# Altium PCB HSADDAModule.PcbDoc (part 1 of 5)
Units mm, origin at the board's own origin, x right, y up, seen from the top; angles counter-clockwise.
Board outline 70 x 95 mm, 6 copper layers (L1 (Sig), L2 (GND), L3 (Sig), L4 (GND), L5 (PWR), L6 (Sig)), stack 1.538 mm thick; 134 components, 217 nets, 999 pads, 792 vias.
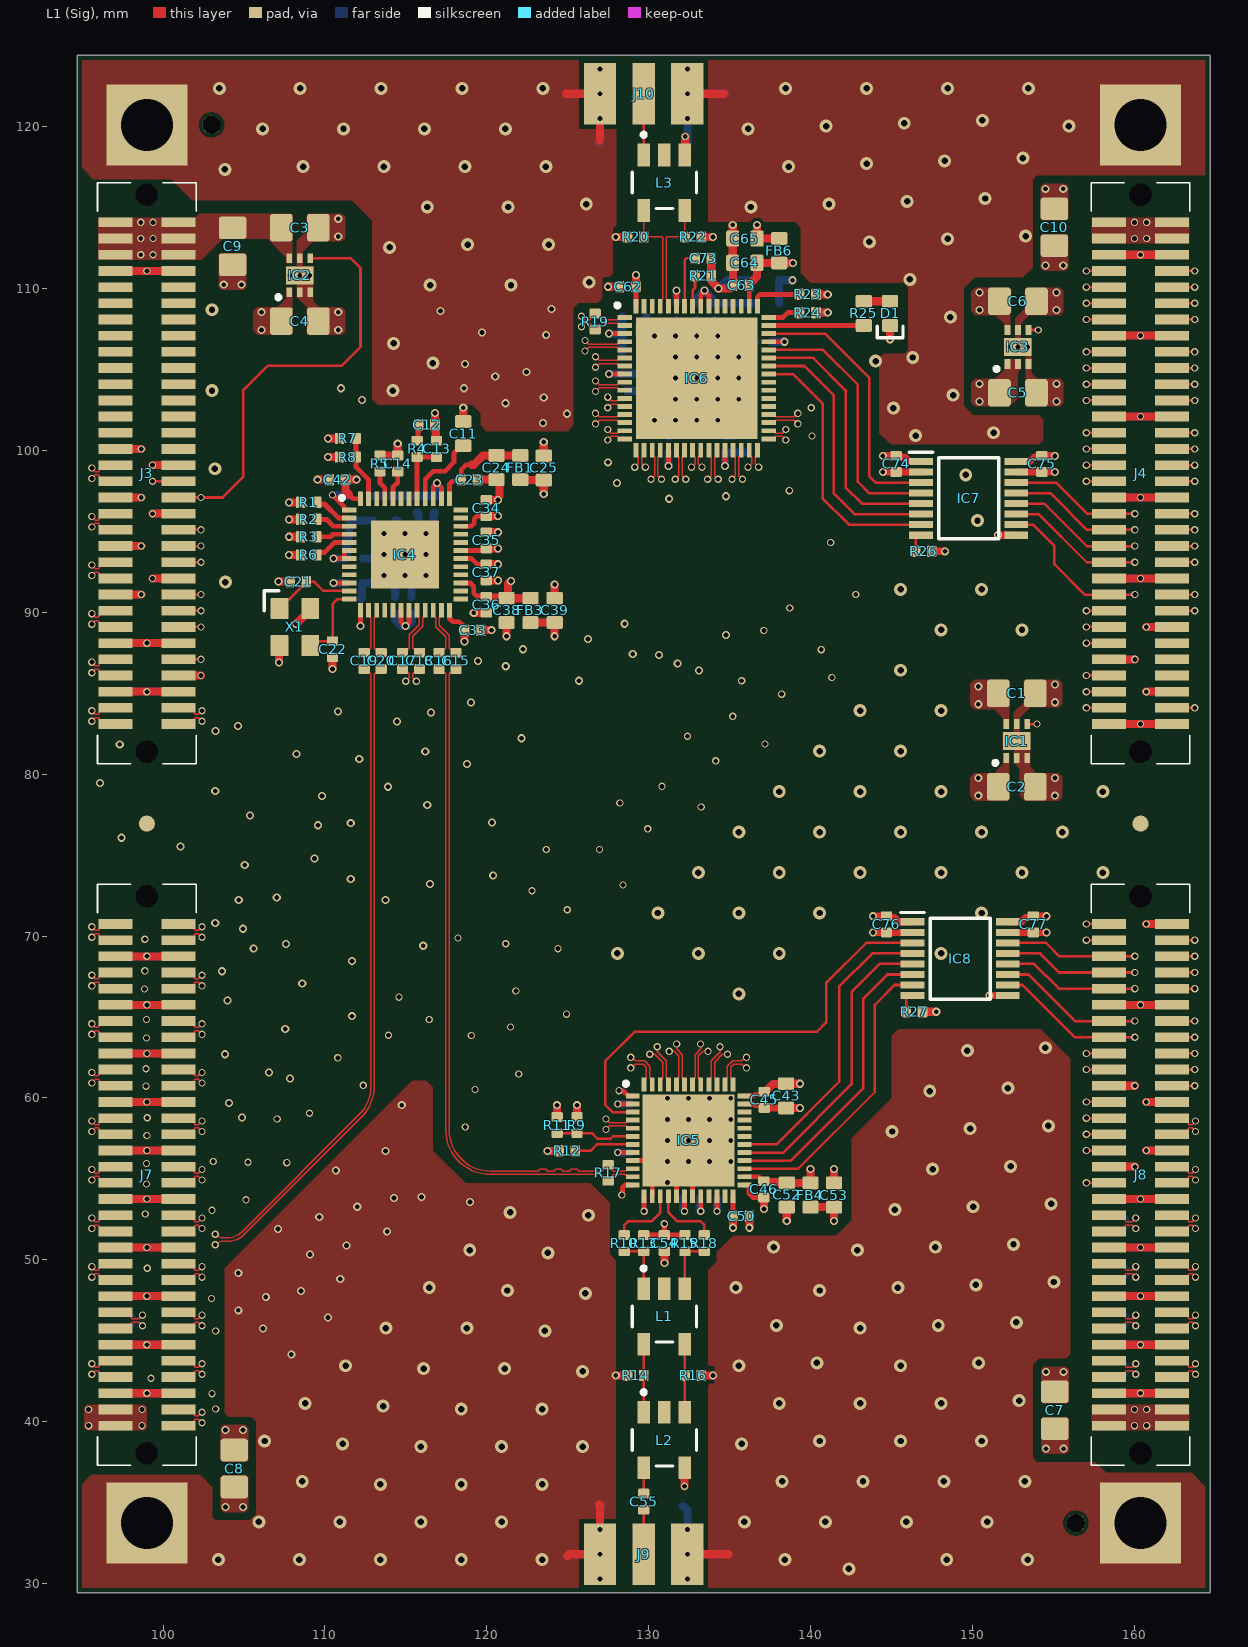
[diagram p0: L1 (Sig) view]
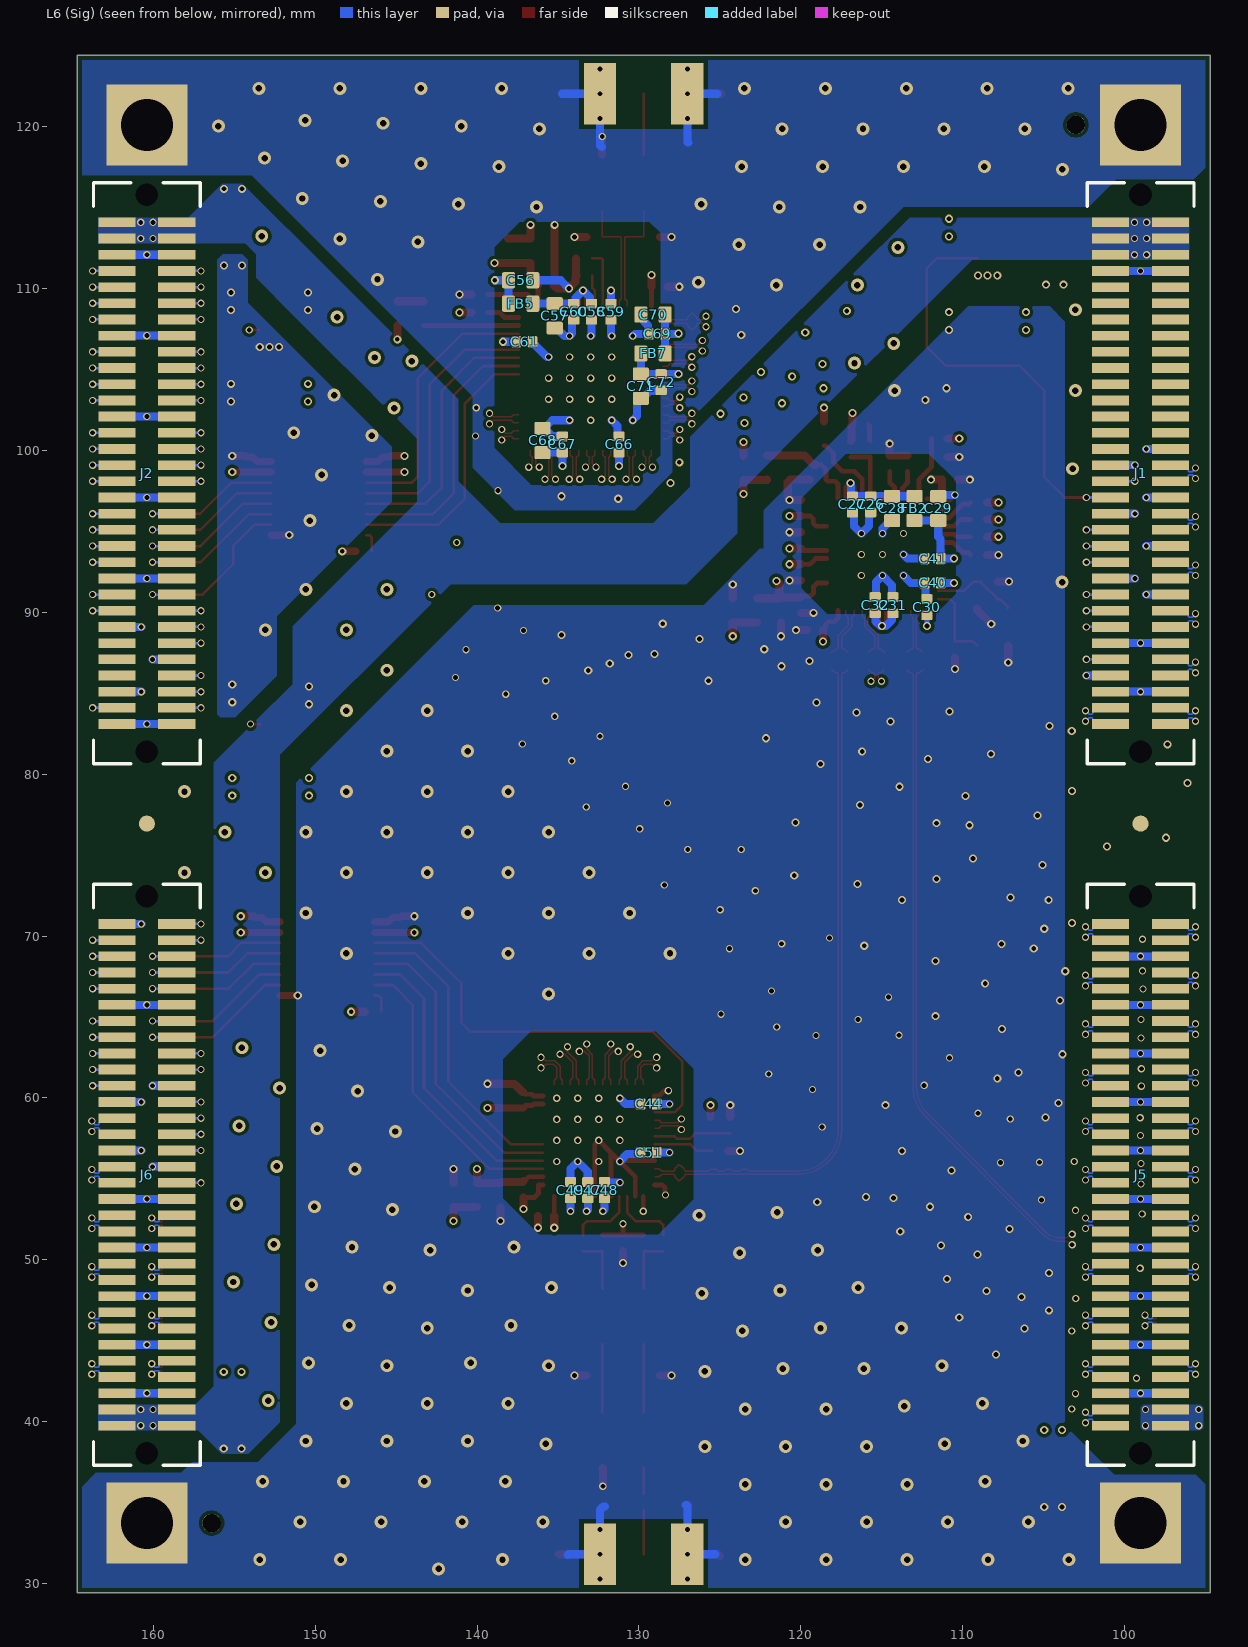
[diagram p1: L6 (Sig) view, seen from below]
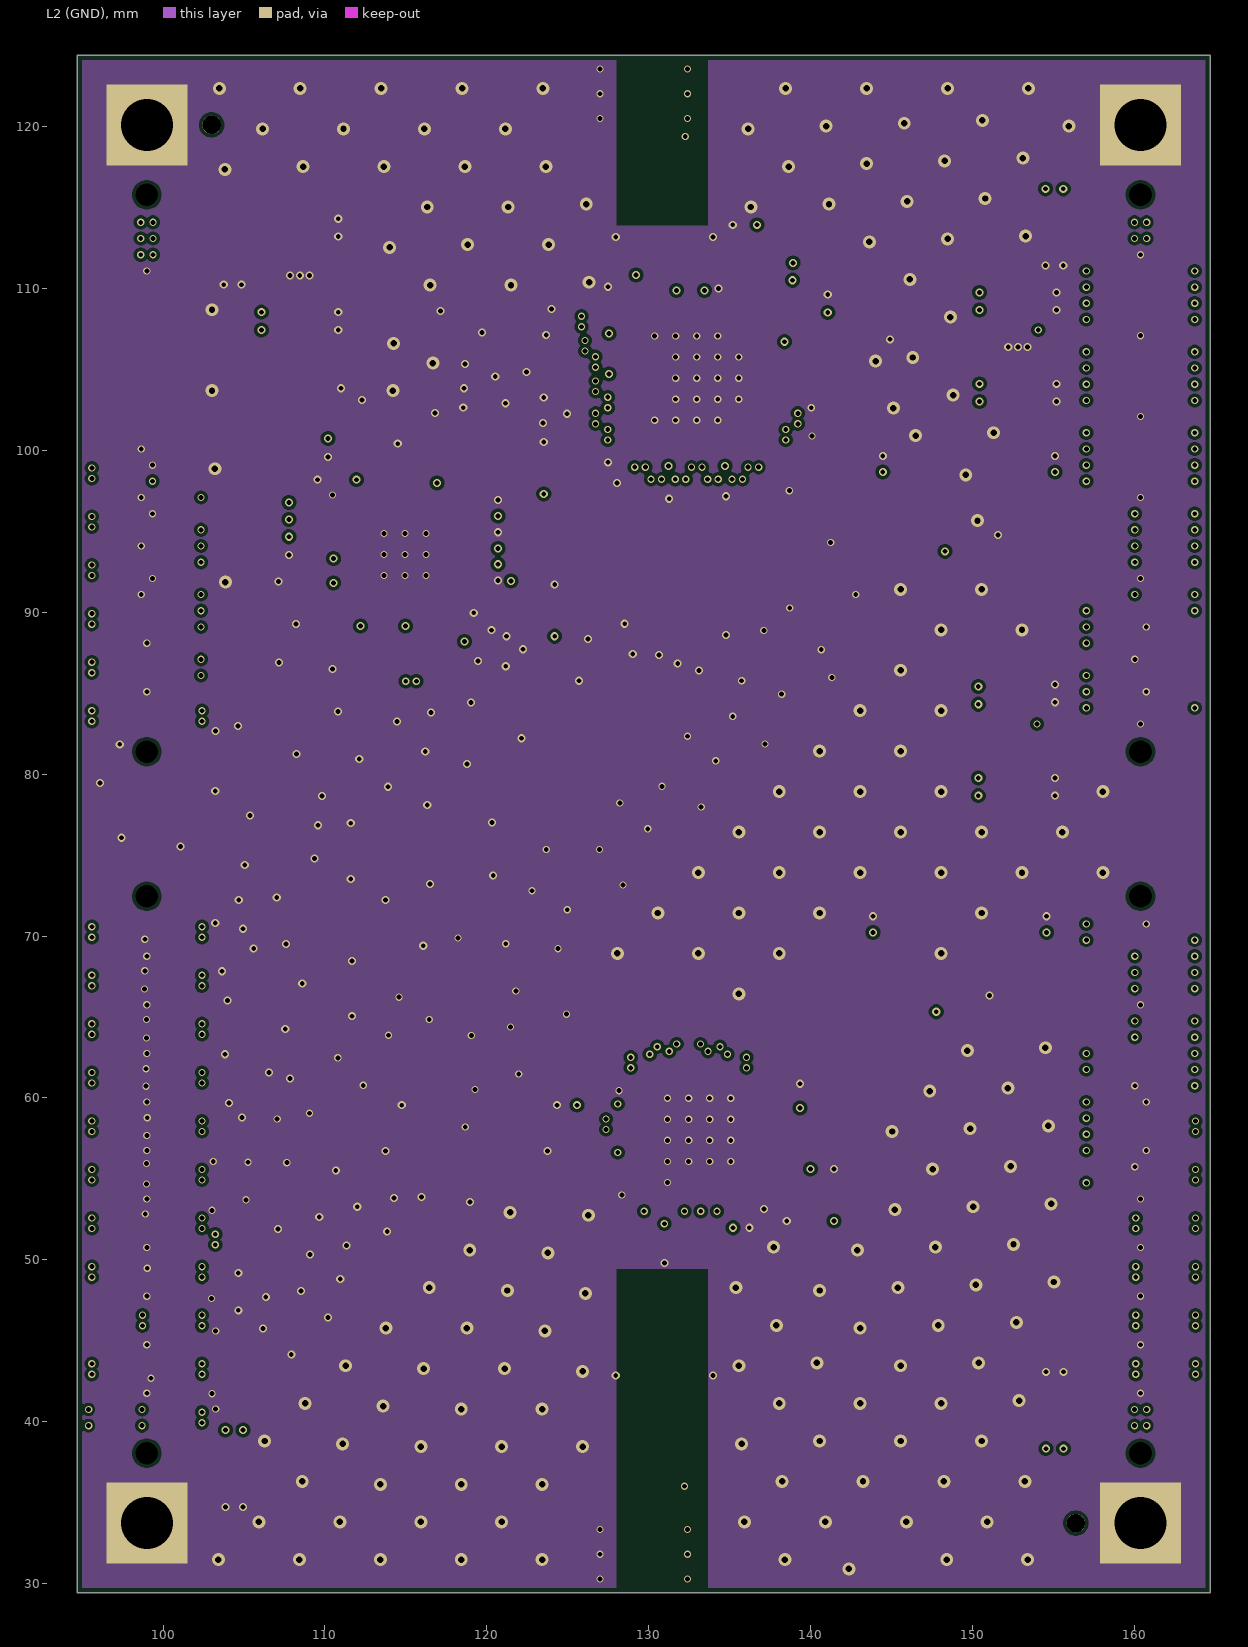
[diagram p2: L2 (GND)]
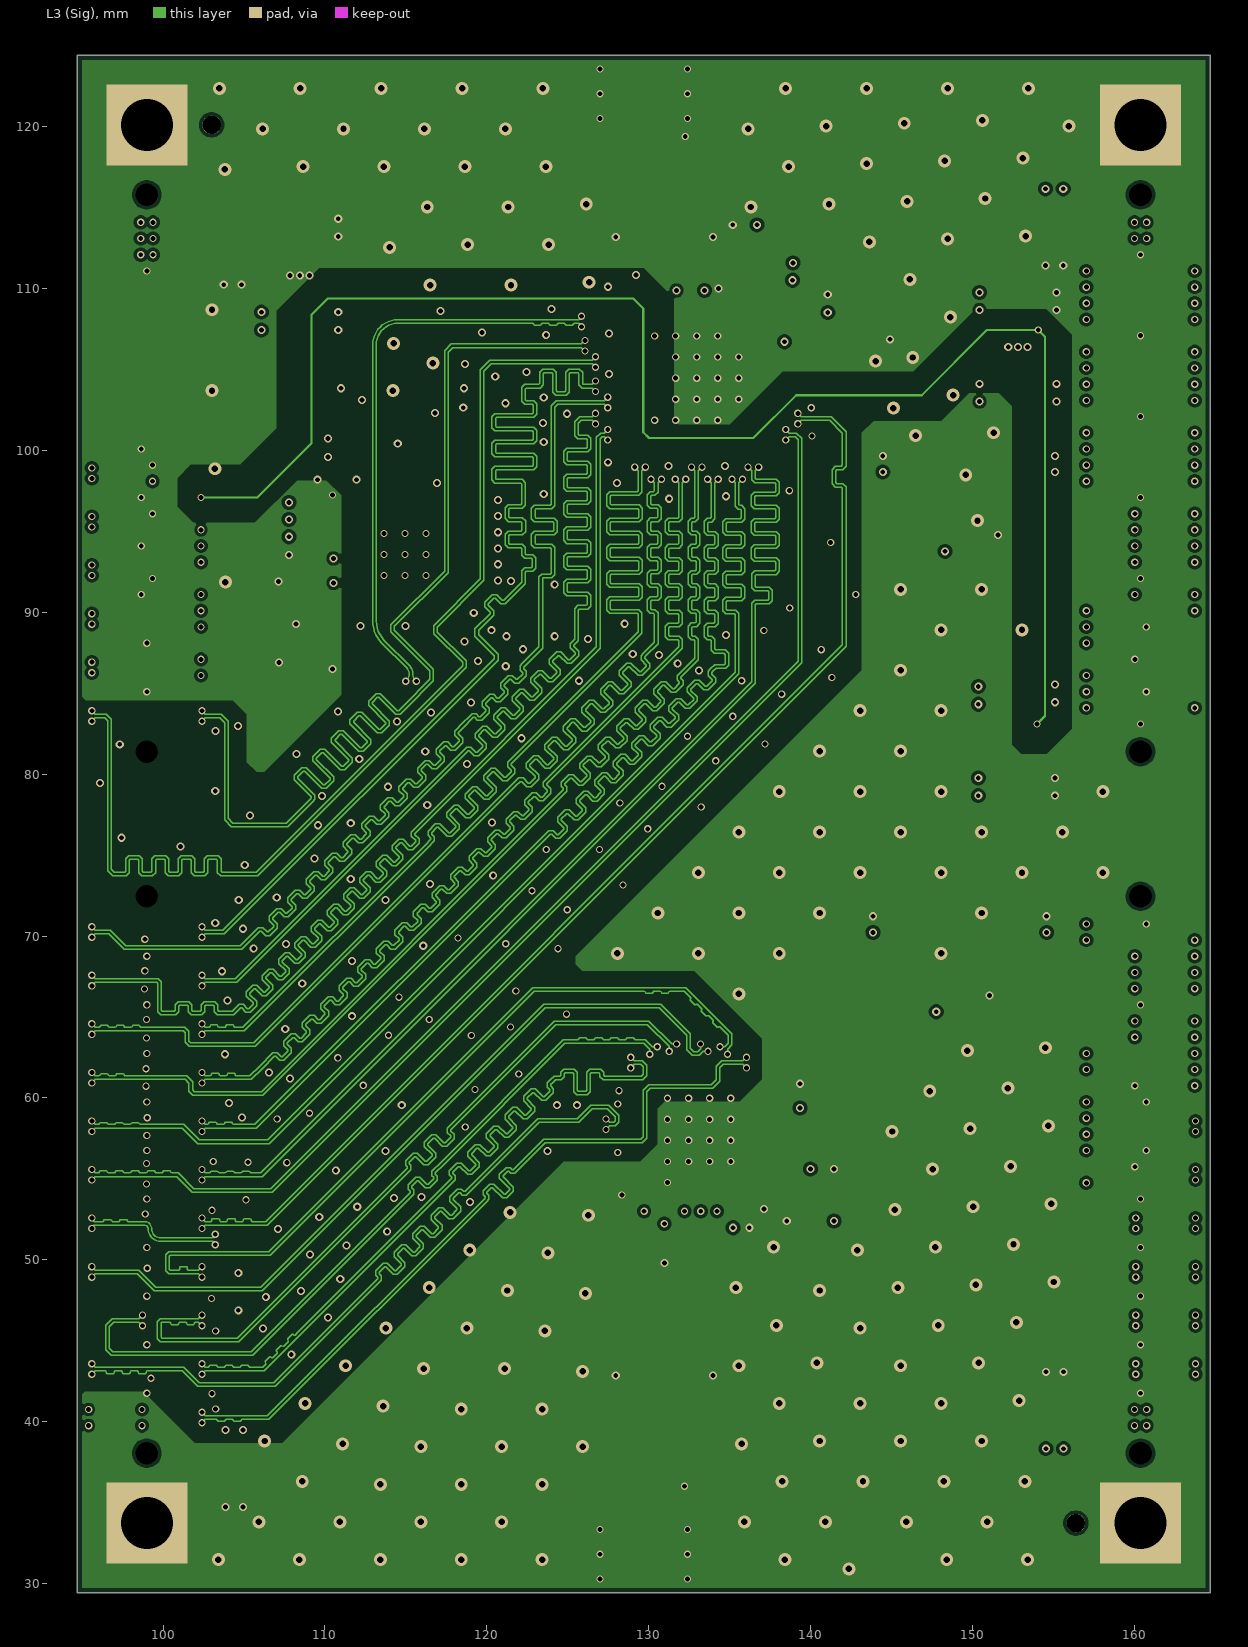
[diagram p3: L3 (Sig)]
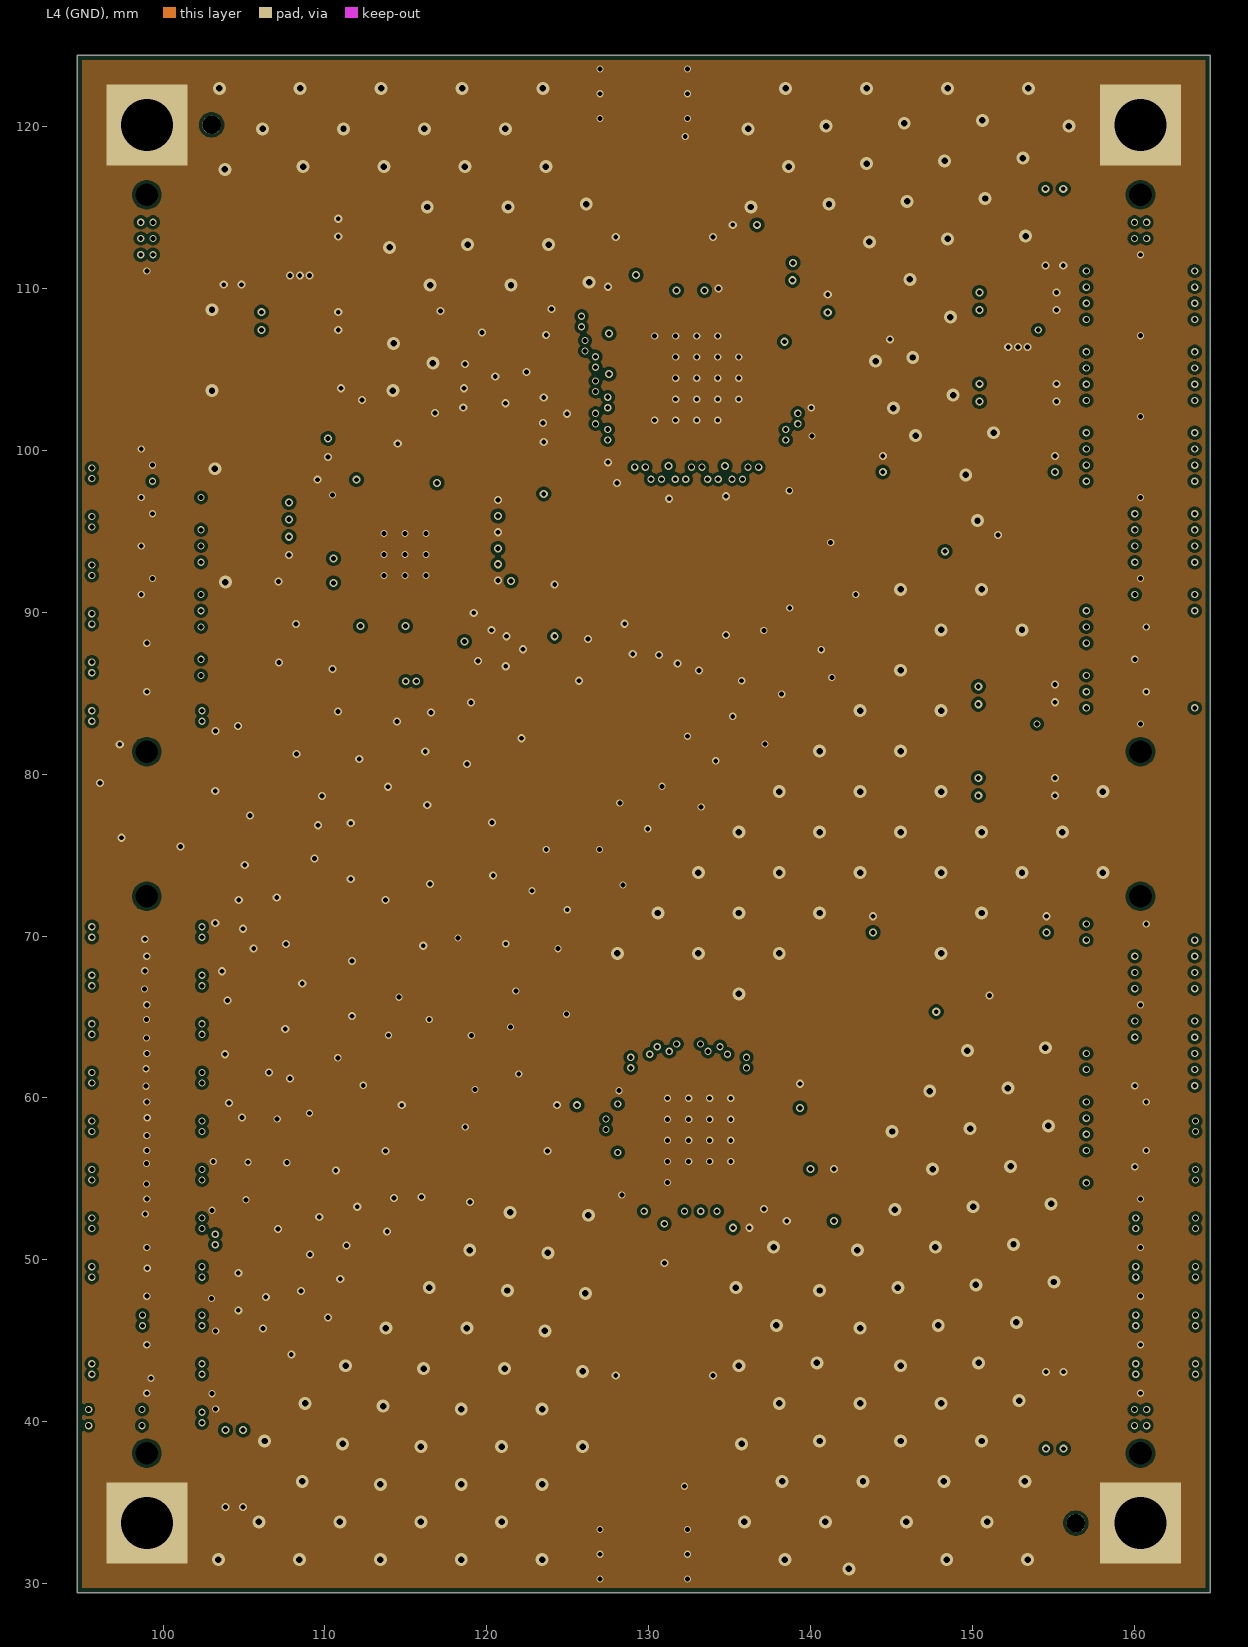
[diagram p4: L4 (GND)]
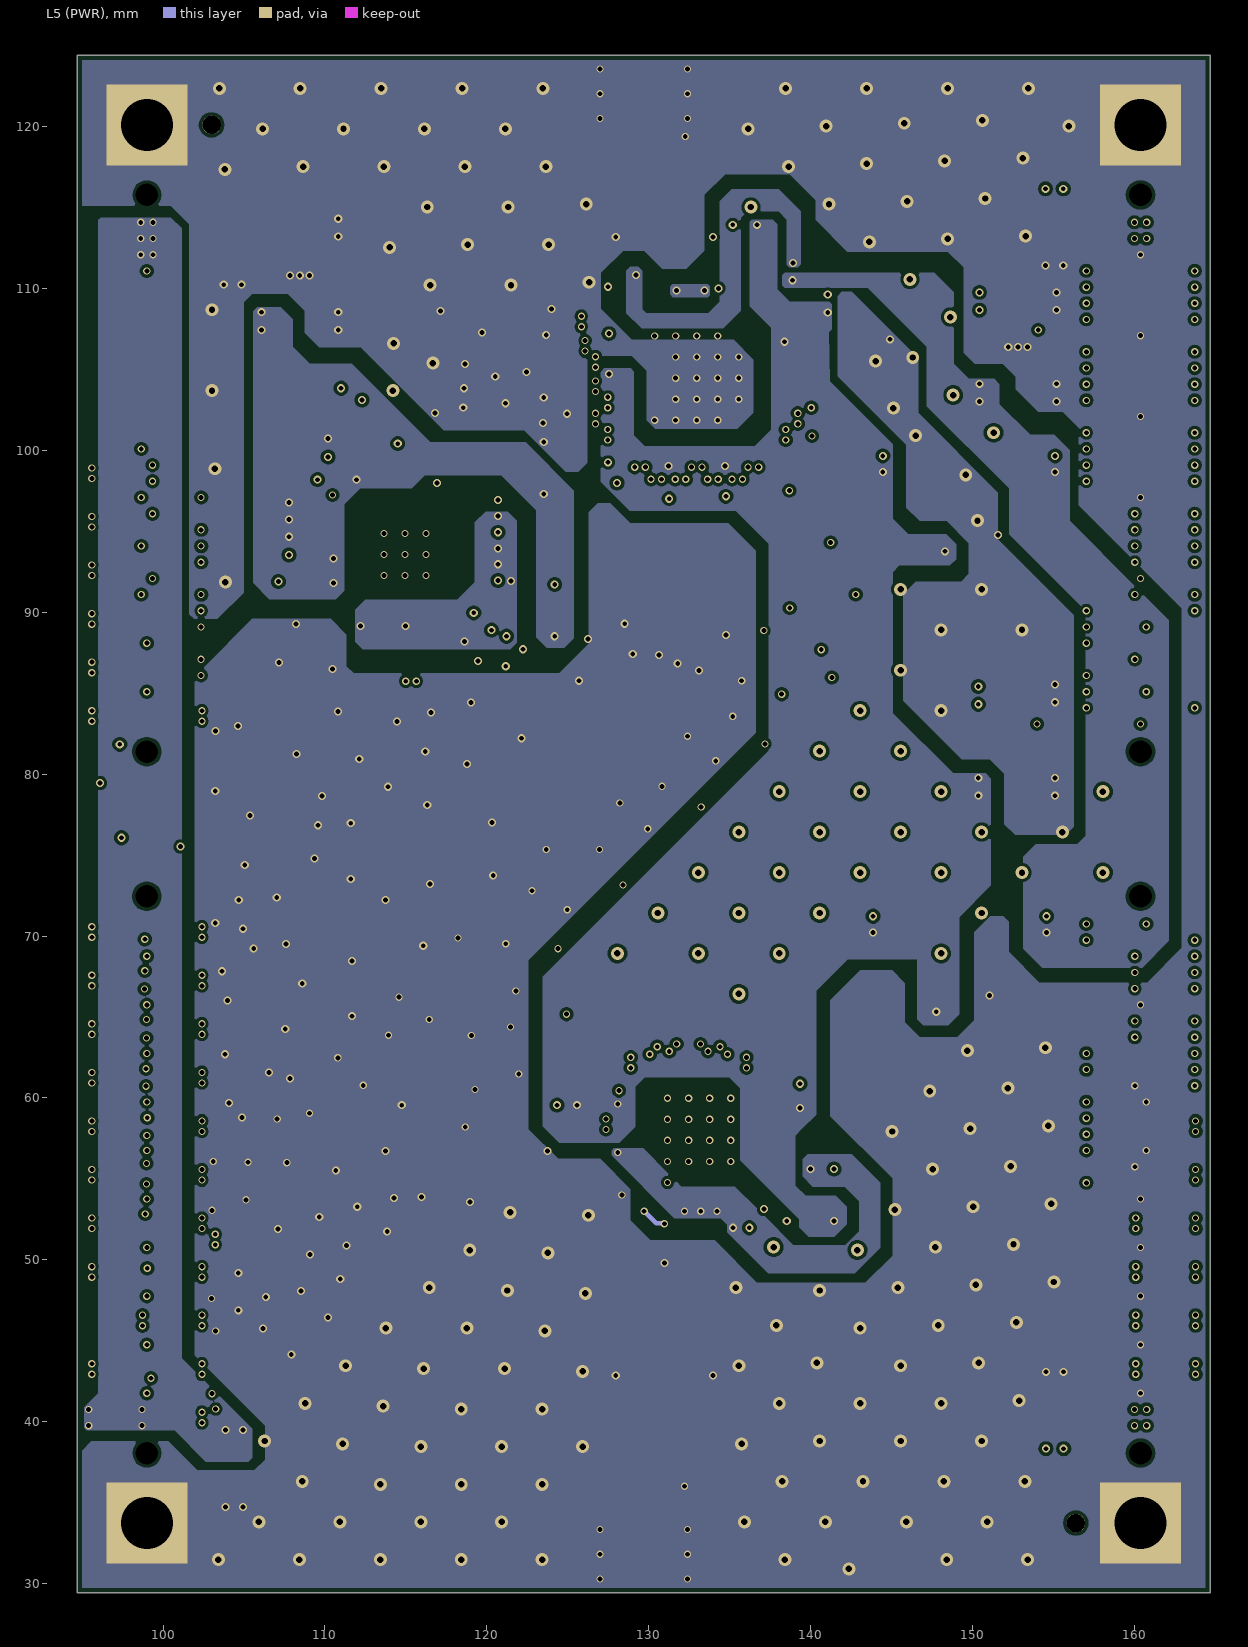
[diagram p5: L5 (PWR)]
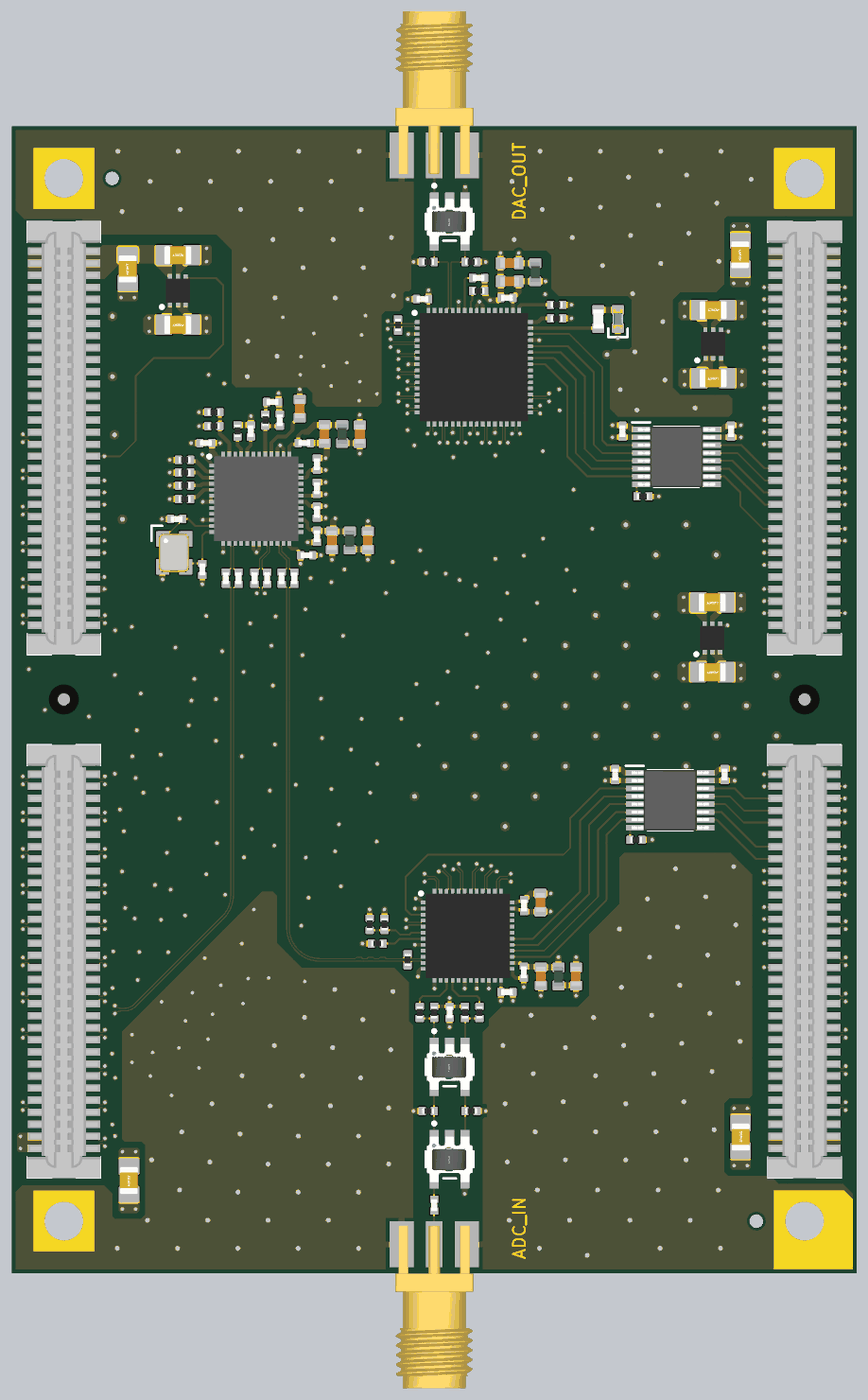
[diagram p10: 3D render of the assembled board from above, using the file's embedded part models]
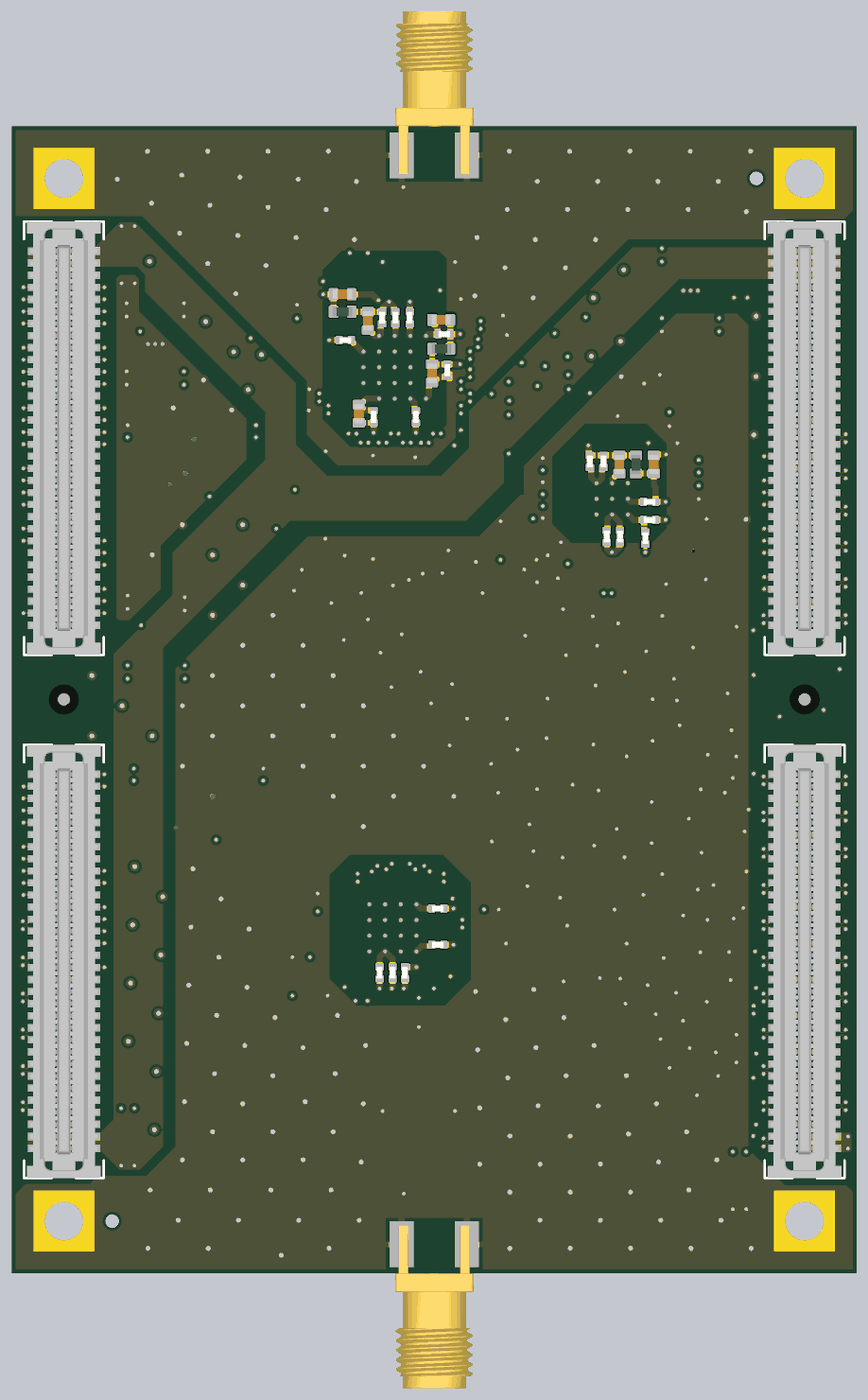
[diagram p11: 3D render of the assembled board from below, using the file's embedded part models]

## Layer stack, top to bottom
Top Solder: solder mask 0.0254, SM-001, Dk 3.8
L1 (Sig): signal copper 0.035
3313_1: prepreg 0.0994, PP-006, Dk 4.1
L2 (GND): signal copper 0.0152
Core_1: core 0.55, Core-035, Dk 4.6
L3 (Sig): signal copper 0.0152
2116_1: prepreg 0.0544, PP-006, Dk 4.16
2116_2: prepreg 0.0544, PP-006, Dk 4.16
L4 (GND): signal copper 0.0152
Core_2: core 0.55, Core-035, Dk 4.6
L5 (PWR): signal copper 0.0152
3313_2: prepreg 0.0994, PP-006, Dk 4.1
L6 (Sig): signal copper 0.035
Bottom Solder: solder mask 0.0254, SM-001, Dk 3.8

## Board outline
94.7,29.425 164.7,29.425 164.7,124.425 94.7,124.425

## Design rules (kind name [scope] priority, off if disabled: settings)
Clearance [All] p1: gap=0.2 ignorepadtopadclearanceinfootprint=FALSE except(0.1: Arc-Arc Arc-Track Track-Track; 0.127: Arc-SMDPad Arc-Via Track-SMDPad Track-Via SMDPad-SMDPad)
ComponentClearance [All] p1: gap=0 collisioncheckmode=3 verticalgap=0 showdistances=FALSE
DiffPairsRouting [All] p1: maxlimit=0.254 minlimit=0.12 mostfreqgap=0.13 toplayer_maxgap=0.12 toplayer_prefgap=0.12 toplayer_minwidth=0.09 toplayer_maxwidth=0.09 toplayer_prefwidth=0.09 midlayer2_mingap=0.13 midlayer2_maxgap=0.13 midlayer2_minwidth=0.09 midlayer2_maxwidth=0.09 midlayer2_prefwidth=0.09 midlayer3_mingap=0.13 midlayer3_maxgap=0.13 midlayer3_minwidth=0.09 midlayer3_maxwidth=0.09 midlayer3_prefwidth=0.09 bottomlayer_maxgap=0.12 bottomlayer_prefgap=0.12 bottomlayer_minwidth=0.09 bottomlayer_maxwidth=0.09 bottomlayer_prefwidth=0.09 impedanceprofiledriven=TRUE impedanceprofileid={F5271024-C74B-483A-A39D-7E2E0D41F061} impedanceprofilevalue=100.000000 maxuncoupledlength=12.7
HoleSize [All] p1: absolutevalues=TRUE maxlimit=5 minlimit=0.3 maxpercent=80.000 minpercent=20.000
MinimumSolderMaskSliver [All] p1: minsoldermaskwidth=0.1
PolygonConnect [All] p1: connectstyle=Direct reliefconductorwidth=0.254 reliefentries=4 polygonreliefangle="90 Angle" airgapwidth=0.254
RoutingVias [All] p1: holewidth=0.3 width=0.45 viastyle="Through Hole" minholewidth=0.3 minwidth=0.45 maxholewidth=0.4 maxwidth=0.8
SilkToSolderMaskClearance [IsPad] p1: minsilkscreentomaskgap=0.15 clearancetoexposedcopper=TRUE
SolderMaskExpansion [All] p1: expansion=0.102 istentingtop=FALSE
SupplyNets "Schematic Supply Nets_13" [InNet('GND')] p1: voltage=0.000
SupplyNets "Schematic Supply Nets_12" [InNet('+3V3_DAC')] p2: voltage=0.000
SupplyNets "Schematic Supply Nets_11" [InNet('+1V8_DAC_CLK')] p3: voltage=0.000
SupplyNets "Schematic Supply Nets_10" [InNet('+1V8_DAC')] p4: voltage=0.000
SupplyNets "Schematic Supply Nets_9" [InNet('+5V0')] p5: voltage=0.000
SupplyNets "Schematic Supply Nets_8" [InNet('+1V8_PLL1')] p6: voltage=0.000
SupplyNets "Schematic Supply Nets_6" [InNet('+1V8_PLL2')] p7: voltage=0.000
SupplyNets "Schematic Supply Nets_5" [InNet('+1V8_PLL_VDD')] p8: voltage=0.000
SupplyNets "Schematic Supply Nets_3" [InNet('+1V8_PLL_CLK')] p9: voltage=0.000
SupplyNets "Schematic Supply Nets_2" [InNet('+1V8_ADC')] p10: voltage=0.000
SupplyNets "Schematic Supply Nets_1" [InNet('+1V8_ADDA')] p11: voltage=0.000
SupplyNets "Schematic Supply Nets" [InNet('+3V3')] p12: voltage=0.000
Width [All] p1: maxlimit=0.5 minlimit=0.1 preferedwidth=0.139 toplayer_prefwidth=0.157 midlayer1_prefwidth=0.128 midlayer4_prefwidth=0.128 bottomlayer_prefwidth=0.157 minimp=50.000000 maximp=50.000000 favimp=50.000000
25 further rules are at their usual default settings.

## Classes and differential pairs
net class ADC_LVDS: B33_IO_L3_N B33_IO_L3_P B33_IO_L4_N B33_IO_L4_P B33_IO_L5_N B33_IO_L5_P B34_IO_L14_N B34_IO_L14_P B34_IO_L19_N B34_IO_L19_P B34_IO_L22_N B34_IO_L22_P B34_IO_L24_N B34_IO_L24_P
net class DAC_LVDS: B33_IO_L6_N B33_IO_L6_P B34_IO_L3_N B34_IO_L3_P B34_IO_L7_N B34_IO_L7_P B34_IO_L8_N B34_IO_L8_P B34_IO_L9_N B34_IO_L9_P B34_IO_L10_N B34_IO_L10_P B34_IO_L12_N B34_IO_L12_P B34_IO_L15_N B34_IO_L15_P B34_IO_L16_N B34_IO_L16_P B34_IO_L17_N B34_IO_L17_P B34_IO_L18_N B34_IO_L18_P B34_IO_L20_N B34_IO_L20_P B34_IO_L23_N B34_IO_L23_P B35_IO_L19_N B35_IO_L19_P B35_IO_L23_N B35_IO_L23_P
net class PLL_CLOCKS: B34_IO_L13_N B34_IO_L13_P HS_ADC_CLK_C_N HS_ADC_CLK_C_P HS_ADC_CLK_N HS_ADC_CLK_P HS_DAC_CLK_C_N HS_DAC_CLK_C_P HS_DAC_CLK_N HS_DAC_CLK_P HS_FPGA_CLK_C_N HS_FPGA_CLK_C_P
component class SerialTerminations: C74 C75 C76 C77 IC7 IC8 R26 R27
component class MezzanineConnectors: C7 C8 C9 C10 J1 J2 J3 J4 J5 J6 J7 J8
component class HSDACircuit: C56 C57 C58 C59 C60 C61 C62 C63 C64 C65 C66 C67 C68 C69 C70 C71 C72 C73 D1 FB5 FB6 FB7 IC6 J10 L3 R19 R20 R21 R22 R23 R24 R25
component class HSADDAPower: C1 C2 C3 C4 C5 C6 IC1 IC2 IC3
component class HSADCircuit: C43 C44 C45 C46 C47 C48 C49 C50 C51 C52 C53 C54 C55 FB4 IC5 J9 L1 L2 R9 R10 R11 R12 R13 R14 R15 R16 R17 R18
component class ClockGen: C11 C12 C13 C14 C15 C16 C17 C18 C19 C20 C21 C22 C23 C24 C25 C26 C27 C28 C29 C30 C31 C32 C33 C34 C35 C36 C37 C38 C39 C40 C41 C42 FB1 FB2 FB3 IC4 R1 R2 R3 R4 R5 R6 R7 R8 X1
differential pair MGT_TX_3: +MGT_TX_3_P -MGT_TX_3_N
differential pair MGT_TX_2: +MGT_TX_2_P -MGT_TX_2_N
differential pair MGT_TX_1: +MGT_TX_1_P -MGT_TX_1_N
differential pair MGT_TX_0: +MGT_TX_0_P -MGT_TX_0_N
differential pair MGT_RX_3: +MGT_RX_3_P -MGT_RX_3_N
differential pair MGT_RX_2: +MGT_RX_2_P -MGT_RX_2_N
differential pair MGT_RX_1: +MGT_RX_1_P -MGT_RX_1_N
differential pair MGT_RX_0: +MGT_RX_0_P -MGT_RX_0_N
differential pair MGT_REFCLK_1: +MGT_REFCLK_1_P -MGT_REFCLK_1_N
differential pair MGT_REFCLK_0: +MGT_REFCLK_0_P -MGT_REFCLK_0_N
differential pair USB_HS_D: +USB_HS_D_P -USB_HS_D_N
differential pair ETH_MDI3: +ETH_MDI3_P -ETH_MDI3_N
differential pair ETH_MDI2: +ETH_MDI2_P -ETH_MDI2_N
differential pair ETH_MDI1: +ETH_MDI1_P -ETH_MDI1_N
differential pair ETH_MDI0: +ETH_MDI0_P -ETH_MDI0_N
differential pair HS_DAC_OUT: +HS_DAC_OUT_P -HS_DAC_OUT_N
differential pair B35_IO_L23: +B35_IO_L23_P -B35_IO_L23_N
differential pair B35_IO_L19: +B35_IO_L19_P -B35_IO_L19_N
differential pair B34_IO_L24: +B34_IO_L24_P -B34_IO_L24_N
differential pair B34_IO_L23: +B34_IO_L23_P -B34_IO_L23_N
differential pair B34_IO_L22: +B34_IO_L22_P -B34_IO_L22_N
differential pair B34_IO_L20: +B34_IO_L20_P -B34_IO_L20_N
differential pair B34_IO_L19: +B34_IO_L19_P -B34_IO_L19_N
differential pair B34_IO_L18: +B34_IO_L18_P -B34_IO_L18_N
differential pair B34_IO_L17: +B34_IO_L17_P -B34_IO_L17_N
differential pair B34_IO_L16: +B34_IO_L16_P -B34_IO_L16_N
differential pair B34_IO_L15: +B34_IO_L15_P -B34_IO_L15_N
differential pair B34_IO_L14: +B34_IO_L14_P -B34_IO_L14_N
differential pair B34_IO_L13: +B34_IO_L13_P -B34_IO_L13_N
differential pair B34_IO_L12: +B34_IO_L12_P -B34_IO_L12_N
differential pair B34_IO_L10: +B34_IO_L10_P -B34_IO_L10_N
differential pair B34_IO_L9: +B34_IO_L9_P -B34_IO_L9_N
differential pair B34_IO_L8: +B34_IO_L8_P -B34_IO_L8_N
differential pair B34_IO_L7: +B34_IO_L7_P -B34_IO_L7_N
differential pair B34_IO_L3: +B34_IO_L3_P -B34_IO_L3_N
differential pair B33_IO_L6: +B33_IO_L6_P -B33_IO_L6_N
differential pair B33_IO_L5: +B33_IO_L5_P -B33_IO_L5_N
differential pair B33_IO_L4: +B33_IO_L4_P -B33_IO_L4_N
differential pair B33_IO_L3: +B33_IO_L3_P -B33_IO_L3_N
differential pair HS_FPGA_CLK_C: +HS_ADC_CLK_C_P -HS_ADC_CLK_C_N
differential pair HS_DAC_CLK: +HS_DAC_CLK_P -HS_DAC_CLK_N
differential pair HS_DAC_CLK_C: +HS_FPGA_CLK_C_P -HS_FPGA_CLK_C_N